# Altium PCB HDMI_to_RGB.PcbDoc (continued)
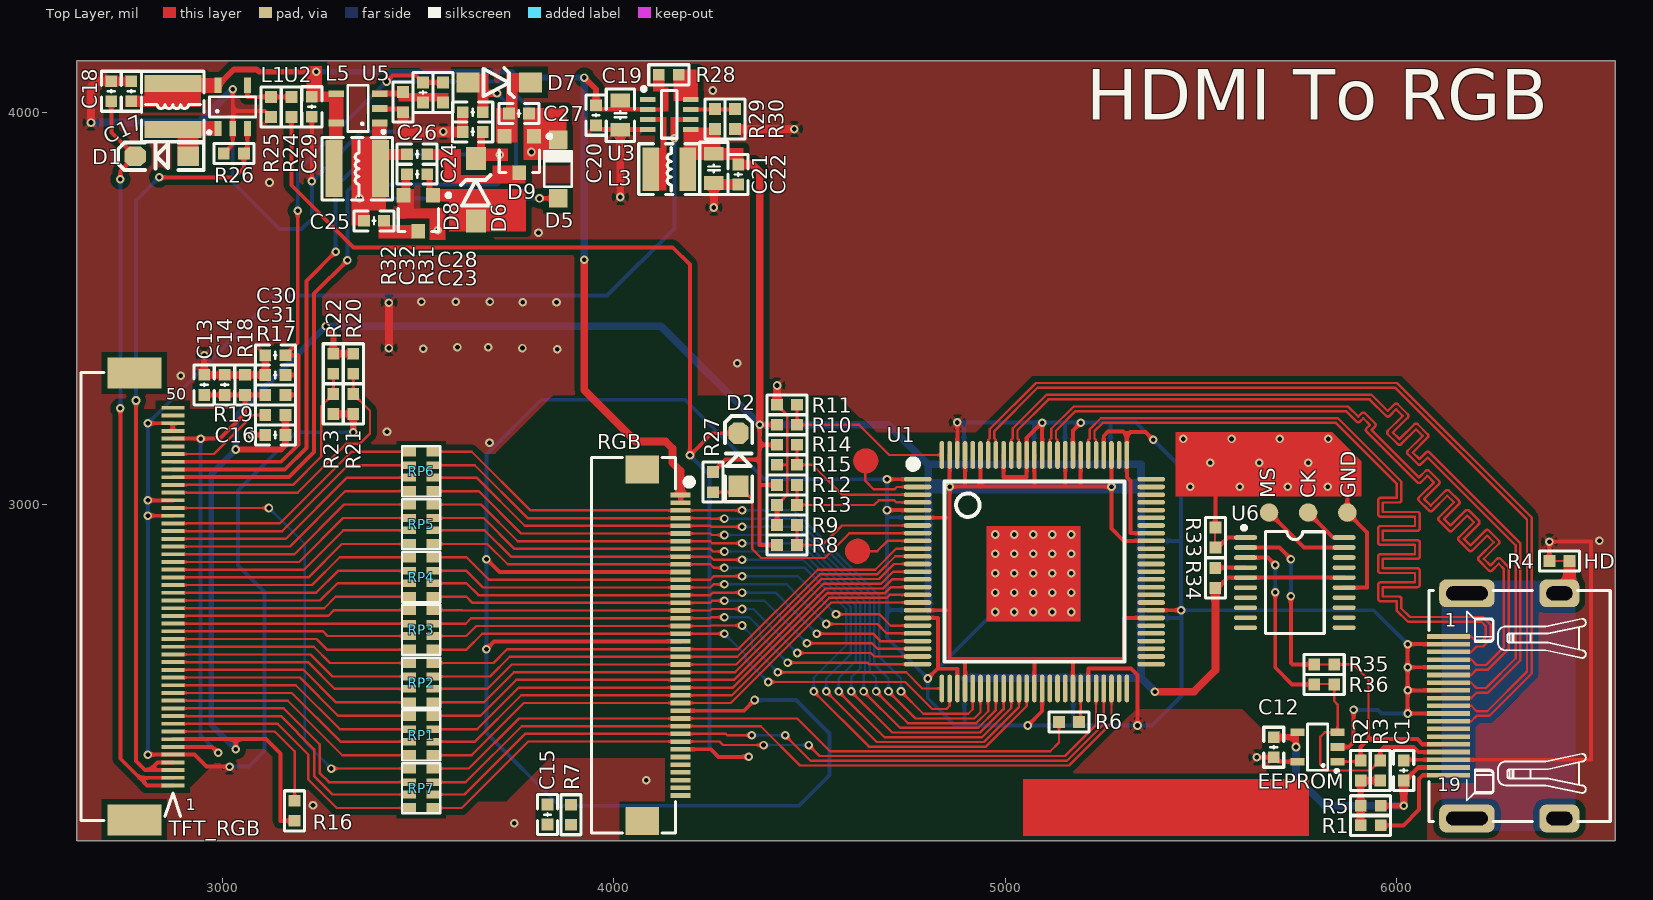
[diagram p0: Top Layer view]
## Nets (pads, with @x,y where several pads share a name; then routed paths per layer and width w, separated by ;. In a path a pad name is that pad's centre, name@x,y a point inside that pad or via, vN(x,y) a via of type N, cw(c..) or ccw(c..) an arc to the next point about the centre after c; other vN are vias at no path point) (continued)
  Top Layer w6: U1.80 5232.24,3164.47 5228.39,3168.31 5228.39,3187 5249.39,3208 5845,3208 6000,3053 6000,3016.51 5958.96,3016.51 ccw(c5958.96,3010.51) 5952.96,3010.51 5952.96,2974.51 ccw(c5958.96,2974.51) 5958.96,2968.51 6047.04,2968.51 6047.04,2944.51 5958.96,2944.51 ccw(c5958.96,2938.51) 5952.96,2938.51 5952.96,2902.51 ccw(c5958.96,2902.51) 5958.96,2896.51 6047.04,2896.51 6047.04,2872.51 5958.96,2872.51 ccw(c5958.96,2866.51) 5952.96,2866.51 5952.96,2830.51 ccw(c5958.96,2830.51) 5958.96,2824.51 6047.04,2824.51 6047.04,2800.51 5958.96,2800.51 ccw(c5958.96,2794.51) 5952.96,2794.51 5952.96,2758.51 ccw(c5958.96,2758.51) 5958.96,2752.51 6000,2752.51 6000,2729.03 6029.03,2700 6216,2700 6228,2688 6228,2660.77 6216,2648.77 6204.13,2648.77 6190.45,2662.45 HD.1
DDC_SCL: EEPROM.1 HD.15 R2.2 R35.2 | length 588.2
  Top Layer w6: R35.2 5889,2591 5928,2552 5928,2400 ; EEPROM.1 5905.01,2342.6 R2.2
  Top Layer w10: R2.2 5908,2380 5928,2400 6053,2400 6066.14,2386.86 HD.15
DDC_SDA: EEPROM.3 HD.16 R3.2 R36.2 | length 623.6
  Top Layer w6: R36.2 5840.59,2497.41 5849.18,2488.82 EEPROM.3 5816.4,2417.4 5805,2406 5805,2336 5821,2320 5932.42,2320 R3.2
  Top Layer w10: R3.2 5958,2370 5968,2380 6043,2380 6055.82,2367.18 HD.16
DE: RGB.33 RP7.1 U1.46 | length 1904
  Top Layer w6: RP7.1 3612.21,2224.21 3781.94,2393.94 RGB.33 4270.06,2393.94 4279,2385 v1(4383,2385) ; v1(4498,2385) 4526,2357 5153,2357 5232.24,2436.24 U1.46
  Bottom Layer w6: v1(4383,2385) v1(4498,2385)
GND: C1.2 C2.1 C3.1 C4.1 C5.1 C6.1 C7.1 C8.1 C9.1 C10.1 C11.1 C12.1 C13.2 C14.2 C16.1 C17.1 C18.1 C19.1 C20.1 C21.1 C22.1 C23.2 C24.2 C28.1 C29.1 C30.1 C31.2 D8.2 EEPROM.2 EEPROM.5 GND.1 HD.2 HD.5 HD.8 HD.11 HD.17 R4.1 R9.2 R11.2 R13.2 R15.2 R18.2 R21.2 R23.2 R25.2 R26.2 R30.2 R32.1 R33.2 RGB.11 RGB.20 RGB.29 TFT_RGB.5 TFT_RGB.36 TFT_RGB.38 TFT_RGB.47 TFT_RGB.48 U1.1 U1.5 U1.19 U1.28 U1.39 U1.45 U1.58 U1.68 U1.76 U1.79 U1.83 U1.87 U1.89 U1.92 U1.98 U2.2 U3.4 U3.6 U5.2 U6.15 | length 20876.3
  Top Layer w6: R13.2 4443,3023.99 4443,3101 ; R15.2 4442.8,3100.8 4443,3101 ; R11.2 4443,3228.42 4443,3101
  Top Layer w10: v1(2810.39,2360.61) TFT_RGB.5 2929.39,2360.61 2960,2330 v1(3019,2330) ; v1(2810.39,2970.85) TFT_RGB.36 ; v1(2810.39,3010.22) TFT_RGB.38 ; v1(2810.46,3207.07) TFT_RGB.48 TFT_RGB.47 ; R26.2 3027,3918.59 U2.2 3027,4005 ; v1(3027,4060) 3027,4005 ; v1(3076,3177) C16.1 ; R25.2 3109.41,4005 3027,4005 ; v1(3229,3825) C29.1 ; v1(3675,2630) 3694.84,2649.84 RGB.20 ; v1(3675,2860) 3707.99,2827.01 RGB.11 ; RGB.29 4332.68,2472.68 v1(4360,2500) ; R9.2 R13.2 ; v1(4698.28,2985.28) U1.5 ; v1(4698.28,3064.02) U1.1 ; U1.19 4828,2709.69 4828,2580 ; v1(4802.37,2555) 4827.37,2580 4828,2580 ; U1.28 4877.91,2580 4828,2580 ; U1.98 v1(4877.91,3209.09) ; U1.92 4996.02,3070 5055.07,3070 U1.89 5055.07,3169.19 v1(5094.44,3208.56) U1.87 ; v1(5058,2435) 5094.44,2471.44 U1.39 ; U1.83 5173.18,3188.74 v1(5193,3208.56) ; U1.45 5212.55,2581 5321,2581 5338,2564 v1(5338,2435) ; U1.79 5251.92,3174.92 5263,3186 5301,3186 5310.98,3176.02 ; U1.58 v1(5449.37,2729.37) ; U1.68 5320,2926.22 5320,3060 5310.98,3069.02 U1.76 5310.98,3176.02 ; v1(5378,3165) 5358,3185 5319.95,3185 5310.98,3176.02 ; R33.2 5537,3045 5575,3083 5843,3083 5874,3052 GND.1 5924.8,2928.2 5924.8,2787.2 U6.15 ; v1(5642.82,2353.82) C12.1 5697.22,2342.6 EEPROM.5 ; EEPROM.2 5877,2380 5890,2393 v1(5890,2475) ; C1.2 6019.91,2347.49 HD.17 6496.51,2347.49 6496.51,2904.51 6390,2904.51 v2(6390.2,2904.3) R4.1 ; HD.11 v1(6028,2465.6) v1(6028,2524.66) ; HD.8 v1(6028,2524.66) ; HD.5 v1(6028,2583.71) ; HD.2 v1(6028,2642.77) v1(6028,2583.71) ; v1(6028,2524.66) v1(6028,2583.71)
  Top Layer w12: U3.6@4196.8,3983 U3.6
  Top Layer w15: v1(2954,3381) C13.2 C14.2 R18.2 3110.02,3330.59 C31.2 C30.1 ; R23.2 R21.2 v1(3335,3184)
  Top Layer w20: v1(2665,3975) 2665,4066 2679.59,4080.59 C18.1 C17.1 ; v1(3426,3399) v2(3426,3515) ; v1(4017,3785) C19.1 ; v1(4256,3758) C21.1 ; R30.2 v1(4461.41,3958.41) ; R11.2 v1(4417.41,3303.41)
  Bottom Layer w10: v1(2810.39,2360.61) v1(2810.39,2970.85) v1(2810.39,3010.22) 2810.39,3207 v1(2810.46,3207.07) 3136.39,3533 3983,3533 4155,3705 v2(4155,3935) ; v1@2814.54,2969 v1@2816.39,2970.85 ; v1(3019,2330) 3068,2330 3108,2370 3108,2776 3040,2844 3040,3035 3189,3184 v1(3335,3184) ; v1(3027,4060) 3027,3823 3147,3703 3203,3703 3229,3729 v1(3229,3825) 3356,3952 v2(3565,3952) ; v1(4360,2500) 4466,2500 4551,2415 4551,2308 4473,2230 3861,2230 3675,2416 v1(3675,2630) v1(3675,2860) 3675,3127 3815,3267 4182,3267 4384.98,3064.02 v1(4698.28,3064.02) v1(4698.28,2985.28) 4698.28,2968 ; C6.1 4698.28,2730 ; C7.1 4699.27,2967 4698.28,2968 ; v1(4877.91,3209.09) 4896,3209.09 ; C2.1 4895,3208.1 4896,3209.09 ; C10.1 4896,2436 4897,2435 ; v2@4976,2728.63 v1(4802.37,2555) ; C3.1 5074,3208.09 5073,3209.09 ; C4.1 5153,3207.56 5154,3208.56 ; C11.1 5174,2436 5173,2435 ; C5.1 5269,3207.56 5268,3208.56 ; C8.1 5448.68,2709.68 5450,2711 ; C9.1 5447.9,2906.53 5449.37,2908 ; v1(5890,2475) 5952,2475 5961.4,2465.6 v1(6028,2465.6) ; v1(6028,2642.77) 5941.4,2729.37 v1@5450,2729.37 ; 4698.28,2730 4698.28,2968 ; 4698.28,2730 4698.28,2659.09 v1(4802.37,2555) ; v1(4802.37,2555) 4802.37,2504.63 4872,2435 4897,2435 ; 4896,3209.09 5073,3209.09 ; 4897,2435 v1(5058,2435) 5173,2435 ; 5073,3209.09 5093.91,3209.09 v1(5094.44,3208.56) 5154,3208.56 ; 5154,3208.56 v1(5193,3208.56) 5268,3208.56 ; 5173,2435 v1(5338,2435) 5375,2435 5450,2510 5450,2711 ; 5268,3208.56 5334.44,3208.56 v1(5378,3165) 5449.37,3093.63 5449.37,2908 ; 5449.37,2908 v1(5449.37,2729.37) v1@5450,2729.37 ; 5450,2711 v1@5450,2729.37
  Bottom Layer w20: v1(2665,3975) 2942,3975 v1(3027,4060)
  other v2: 3746,2185 3232,2231 4083,2295 4975,2725 5023.5,2725 5072,2725 5120.5,2725 5169,2725 4975,2774.5 5023.5,2774.5 5072,2774.5 5120.5,2774.5 5169,2774.5 4975,2824 5023.5,2824 5072,2824 5120.5,2824 5169,2824 4975,2873.5 5023.5,2873.5 5072,2873.5 5120.5,2873.5 5169,2873.5 6518,2907 4975,2923 5023.5,2923 5072,2923 5120.5,2923 5169,2923 5473,3045 5599,3045 5722,3045 5824,3045 5524,3106 5649,3106 5774,3106 3683,3157 5455,3167 5578.33,3167 5701.67,3167 5825,3167 3421,3185 2894,3328 4316,3360 3856,3396 3514,3397 3767,3399 3601,3401 3680,3401 3768,3516 3854,3516 3509,3517 3597,3517 3684,3517 3808,3694 3551,3700 3121,3822 4253,4057
HDMI_5V: C1.1 C12.2 EEPROM.4 HD.18 R5.2 | length 730.6
  Top Layer w10: R5.2 R5.2@5959.18,2234.42 ; C1.1 C1.1@6018.59,2293.82
  Top Layer w12: EEPROM.4@5743,2413.58 EEPROM.4 ; R5.2 v2(6018,2230) ; C1.1@6022.41,2294.41 6055.81,2327.81 HD.18
  Top Layer w15: C12.2 5743,2405 ; v2(5743,2380) 5743,2405 ; EEPROM.4@5743,2413.58 5743,2405
  Top Layer w20: v2(6018,2230) C1.1
  Bottom Layer w20: v2(5743,2380) 5743,2303 5816,2230 v2(6018,2230)
HSYNC: RGB.31 RP7.5 U1.48 | length 1965.3
  Top Layer w6: RP7.5 3622.35,2290.35 3765.31,2433.31 RGB.31 4375.69,2433.31 4476,2333 5162.94,2333 5271.61,2441.67 U1.48
JTCK: CK.1 U6.20 | length 118.4
  Top Layer w10: CK.1 5837.84,2915.16 U6.20
JTMS: MS.1 U6.19 | length 229
  Top Layer w10: MS.1 5763.43,2889.57 U6.19
LCD_B0: RGB.21 RP2.7 U1.10 | length 1357.5
  Top Layer w6: RP2.7 3692.8,2594.8 3728.16,2630.16 RGB.21 4318.36,2630.16 4521.26,2833.06 4668.06,2833.06 4721.85,2886.85 U1.10
LCD_B1: RGB.22 RP2.5 U1.11 | length 1363.7
  Top Layer w6: RP2.5 3684.15,2560.15 3734.47,2610.47 RGB.22 4315.65,2610.47 4526.23,2821.06 4673.03,2821.06 4719.14,2867.17 U1.11
LCD_B2: RGB.23 RP2.3 U1.12 | length 1368.6
  Top Layer w6: RP2.3 3677.66,2528.66 3739.79,2590.79 RGB.23 4312.93,2590.79 4531.2,2809.06 4678,2809.06 4716.42,2847.48 U1.12
LCD_B3: RGB.24 RP2.1 U1.13 | length 1374.8
  Top Layer w6: RP2.1 3668.01,2494.01 3745.1,2571.1 RGB.24 4310.22,2571.1 4536.17,2797.06 4682.97,2797.06 4713.71,2827.8 U1.13
LCD_B4: RGB.25 RP1.7 U1.14 | length 1380.7
  Top Layer w6: RP1.7 3659.9,2459.9 3751.42,2551.42 RGB.25 4307.51,2551.42 4541.14,2785.06 4687.94,2785.06 4710.99,2808.11 U1.14
LCD_B5: RGB.26 RP1.5 U1.15 | length 1386.9
  Top Layer w6: RP1.5 3651.25,2425.25 3757.73,2531.73 RGB.26 4304.79,2531.73 4546.11,2773.06 4692.91,2773.06 4708.28,2788.43 U1.15
LCD_B6: RGB.27 RP1.3 U1.16 | length 1391.8
  Top Layer w6: RP1.3 3645.76,2393.76 3764.05,2512.05 RGB.27 4302.08,2512.05 4551.08,2761.06 4697.88,2761.06 4705.56,2768.74 U1.16
LCD_B7: RGB.28 RP1.1 U1.17 | length 1398
  Top Layer w6: RP1.1 3637.11,2359.11 3770.36,2492.36 RGB.28 4299.36,2492.36 4556.06,2749.06 U1.17
LCD_BL: D2.2 R24.2 RGB.34 | length 2969.8
  Top Layer w10: R24.2 3177,3815 3336,3656 4151,3656 4195,3612 v1(4195,3125) 4251.5,3181.5 D2.2 ; RGB.34 4248.75,2374.25 4268,2355 v1(4345,2355)
  Bottom Layer w10: v1(4195,3125) 4245,3075 4245,2378 4268,2355 v1(4345,2355)
LCD_G0: RGB.12 RP4.7 U1.20 | length 1316.4
  Top Layer w6: RP4.7 3624,2864.6 3681.27,2807.32 RGB.12 4247,2807.32 4256.19,2816.51 v1(4328,2816.51) ; v1(4568,2719) 4679,2719 4708,2690 U1.20
  Bottom Layer w6: v1(4328,2816.51) 4470.49,2816.51 v1(4568,2719)
LCD_G1: RGB.13 RP4.5 U1.21 | length 1309.2
  Top Layer w6: RP4.5 3624,2829.95 3666.31,2787.64 RGB.13 4247,2787.64 4254.87,2795.51 v1(4283,2795.51) ; v1(4543.24,2694.31) 4673.69,2694.31 4697.69,2670.32 U1.21
  Bottom Layer w6: v1(4283,2795.51) 4442.04,2795.51 v1(4543.24,2694.31)
LCD_G2: RGB.14 RP4.3 U1.22 | length 1303.2
  Top Layer w6: RP4.3 3624,2798.45 3654.5,2767.95 RGB.14 4247,2767.95 4253.56,2774.51 v1(4328,2774.51) ; v1(4518.49,2669.61) 4662.39,2669.61 4681.37,2650.63 U1.22
  Bottom Layer w6: v1(4328,2774.51) 4413.59,2774.51 v1(4518.49,2669.61)
LCD_G3: RGB.15 RP4.1 U1.23 | length 1295.9
  Top Layer w6: RP4.1 3624,2763.81 3639.54,2748.27 RGB.15 4247,2748.27 4252.25,2753.52 v1(4283,2753.52) ; v1(4493.73,2644.92) 4660.08,2644.92 4674.06,2630.94 U1.23
  Bottom Layer w6: v1(4283,2753.52) 4385.14,2753.52 v1(4493.73,2644.92)
LCD_G4: RGB.16 RP3.7 U1.24 | length 1288.8
  Top Layer w6: RP3.7 3613.3,2729.7 3614.42,2728.58 RGB.16 4247,2728.58 4250.94,2732.52 v1(4328,2732.52) ; v1(4468.98,2620.22) 4656.78,2620.22 4665.74,2611.26 U1.24
  Bottom Layer w6: v1(4328,2732.52) 4356.69,2732.52 v1(4468.98,2620.22)
LCD_G5: RGB.17 RP3.5 U1.25 | length 1303.7
  Top Layer w6: RP3.5 3622.05,2695.05 3635.9,2708.9 RGB.17 4171.62,2709.21 4247,2709.21 4249.31,2711.52 v1(4283,2711.52) ; v1(4444.23,2595.53) 4648.47,2595.53 4652.43,2591.57 U1.25
  Bottom Layer w6: v1(4283,2711.52) 4346.48,2711.52 4374,2684 4374,2665.76 v1(4444.23,2595.53)
LCD_G6: RGB.18 RP3.3 U1.26 | length 1392.9
  Top Layer w6: RP3.3 3623.55,2663.55 3649.21,2689.21 RGB.18 4247,2689.21 4248.31,2690.52 v1(4328,2690.52) ; v1(4419.47,2570.84) 4747.16,2570.84 4788.45,2529.55 U1.26
  Bottom Layer w6: v1(4328,2690.52) 4353,2665.52 4353,2637.31 v1(4419.47,2570.84)
LCD_G7: RGB.19 RP3.1 U1.27 | length 1469.4
  Top Layer w6: RP3.1 3624,2628.91 3664.62,2669.53 RGB.19 v1(4283,2669.53) ; v1(4394.72,2546.14) 4744.86,2546.14 4814,2477 4850,2477 4858.22,2485.22 U1.27
  Bottom Layer w6: v1(4283,2669.53) 4337,2615.53 4337,2603.86 v1(4394.72,2546.14)
LCD_LR: R20.2 R21.1 TFT_RGB.39 | length 736.5
  Top Layer w6: TFT_RGB.39 3192.91,3029.91 3318,3155 3352,3155 3377.67,3180.67 3377.67,3238.92 R21.1 R20.2
LCD_R0: RGB.3 RP6.7 U1.30 | length 1823.1
  Top Layer w6: RP6.7 3637.61,3134.39 3787.51,2984.49 RGB.3 4247,2984.49 v1(4328,2984.49) ; v1(4734,2522) 4791,2465 4906,2465 4917.28,2476.28 U1.30
  Bottom Layer w6: v1(4328,2984.49) 4460.31,2984.49 4678,2766.79 4678,2611 4734,2555 v1(4734,2522)
LCD_R1: RGB.4 RP6.5 U1.31 | length 1851.5
  Top Layer w6: RP6.5 3645.25,3099.75 3780.2,2964.8 RGB.4 4247,2964.8 4248.31,2963.49 v1(4283,2963.49) ; v1(4702.14,2522) 4771.14,2453 4921.18,2453 4936.96,2468.78 U1.31
  Bottom Layer w6: v1(4283,2963.49) 4464.33,2963.49 4666,2761.82 4666,2591 4702.14,2554.86 v1(4702.14,2522)
LCD_R2: RGB.5 RP6.3 U1.32 | length 1875.2
  Top Layer w6: RP6.3 3649.75,3068.25 3772.88,2945.12 RGB.5 4247,2945.12 4249.63,2942.49 v1(4328,2942.49) ; v1(4670.29,2522) 4751.29,2441 4926.15,2441 4956.65,2471.5 U1.32
  Bottom Layer w6: v1(4328,2942.49) 4468.36,2942.49 4654,2756.85 4654,2573 4670.29,2556.71 v1(4670.29,2522)
LCD_R3: RGB.6 RP6.1 U1.33 | length 1900.5
  Top Layer w6: RP6.1 3655.39,3033.61 3763.57,2925.43 RGB.6 4247,2925.43 4250.94,2921.5 v1(4283,2921.5) ; v1(4638.43,2522) 4731.43,2429 4931.12,2429 4976.33,2474.21 U1.33
  Bottom Layer w6: v1(4283,2921.5) 4472.39,2921.5 4642,2751.88 4642,2567.03 4638.43,2563.46 v1(4638.43,2522)
LCD_R4: RGB.7 RP5.7 U1.34 | length 1939.6
  Top Layer w6: RP5.7 3661.51,2999.49 3755.25,2905.75 RGB.7 4247,2905.75 4252.25,2900.5 v1(4328,2900.5) ; v1(4606.57,2522) 4711.57,2417 4936.09,2417 4996.02,2476.93 U1.34
  Bottom Layer w6: v1(4328,2900.5) 4476.41,2900.5 4630,2746.91 4630,2581 4606.57,2557.57 v1(4606.57,2522)
LCD_R5: RGB.8 RP5.5 U1.35 | length 1978.5
  Top Layer w6: RP5.5 3668.15,2964.85 3746.94,2886.06 RGB.8 4247,2886.06 4253.56,2879.5 v1(4283,2879.5) ; v1(4574.71,2522) 4691.71,2405 4941.06,2405 5015.7,2479.64 U1.35
  Bottom Layer w6: v1(4283,2879.5) 4480.44,2879.5 4618,2741.94 4618,2599 4574.71,2555.71 v1(4574.71,2522)
LCD_R6: RGB.9 RP5.3 U1.36 | length 2018.6
  Top Layer w6: RP5.3 3670.65,2933.35 3737.62,2866.38 RGB.9 4247,2866.38 4254.87,2858.5 v1(4328,2858.5) ; v1(4542.86,2522) 4671.86,2393 4946.03,2393 5035.39,2482.36 U1.36
  Bottom Layer w6: v1(4328,2858.5) 4484.47,2858.5 4606,2736.97 4606,2618 4542.86,2554.86 v1(4542.86,2522)
LCD_R7: RGB.10 RP5.1 U1.37 | length 2057.5
  Top Layer w6: RP5.1 3677.29,2898.71 3729.31,2846.69 RGB.10 4247,2846.69 4256.19,2837.51 v1(4283,2837.51) ; v1(4511,2522) 4652,2381 4951,2381 5055.07,2485.07 U1.37
  Bottom Layer w6: v1(4283,2837.51) 4488.49,2837.51 4594,2732 4594,2640 4511,2557 v1(4511,2522)
LCD_UD: R22.2 R23.1 TFT_RGB.40 | length 633.2
  Top Layer w6: TFT_RGB.40 3180.59,3049.59 3253,3122 3253,3250.6 R23.1 R22.2
NetC13_1: C13.1 C14.1 R17.1 R18.1 TFT_RGB.6 TFT_RGB.46 | length 1359
  Top Layer w10: TFT_RGB.6 2974.7,2380.3 v1(2990,2365) ; TFT_RGB.46 v1(2945,3167.7) 2994.7,3167.7 3058.67,3231.67 R18.1 ; C13.1 C14.1 R18.1 ; R17.1 R18.1
  Bottom Layer w10: v1(2945,3167.7) 2945,2410 v1(2990,2365)
NetC24_1: C24.1 D6.1 D8.1
NetC25_1: C25.1 D8.3
NetC25_2: C25.2 C26.1 D5.1 L5.1 U5.1 | length 507.3
  Top Layer w10: v1(3810.74,3781.26) D5.1
  Bottom Layer w10: v1(3350.74,3781.26) v1(3810.74,3781.26)
NetC26_2: C26.2 D9.3
NetC27_2: C27.2 D7.2 D9.2
NetC32_2: C32.2 R31.2 R32.2 U5.3
NetD1_1: D1.1 L1.2 U2.1
NetHD_19: HD.19 R1.2 | length 272
  Top Layer w10: R1.2 6017,2180 6057,2220 6057,2298 6067.12,2308.12 HD.19
NetHD_G1: HD.G1 HD.G2 HD.G3 HD.G4 R4.2 | length 93.1
  Top Layer w30: HD.G3 6441.39,2798.09 R4.2
NetL3_2: L3.2 U3.3
NetR1_1: R1.1 R2.1 R3.1 R5.1 | length 164.4
  Top Layer w15: R1.1 R5.1 R2.1 R3.1
NetR6_1: R6.1 U1.44 | length 87.3
  Top Layer w6: R6.1 5192.87,2448.28 U1.44
NetR16_2: R16.2 TFT_RGB.8 | length 458.4
  Top Layer w6: TFT_RGB.8 3134.33,2419.67 3185,2369 R16.2
NetR19_1: R19.1 TFT_RGB.44 | length 277.7
  Top Layer w6: TFT_RGB.44 2979.33,3128.33 3079,3228 R19.1
NetR24_1: R24.1 R25.1 U2.4 | length 142.1
  Top Layer w10: U2.4 3064.4,4040.59 R25.1 R24.1
NetR28_1: R28.1 U3.8
NetR29_2: R29.2 R30.1 U3.7
NetRP1_2: RP1.2 TFT_RGB.12 | length 660.7
  Top Layer w6: TFT_RGB.12 3167.59,2498.41 3306.89,2359.11 RP1.2
NetRP1_4: RP1.4 TFT_RGB.13 | length 654.5
  Top Layer w6: TFT_RGB.13 3177.91,2518.09 3302.24,2393.76 RP1.4
NetRP1_6: RP1.6 TFT_RGB.14 | length 649.6
  Top Layer w6: TFT_RGB.14 3188.22,2537.78 3300.75,2425.25 RP1.6
NetRP1_8: RP1.8 TFT_RGB.15 | length 643.4
  Top Layer w6: TFT_RGB.15 3198.54,2557.46 3296.1,2459.9 RP1.8
NetRP2_2: RP2.2 TFT_RGB.16 | length 637.4
  Top Layer w6: TFT_RGB.16 3207.85,2577.15 3290.99,2494.01 RP2.2
NetRP2_4: RP2.4 TFT_RGB.17 | length 631.2
  Top Layer w6: TFT_RGB.17 3219.17,2596.83 3287.34,2528.66 RP2.4
NetRP2_6: RP2.6 TFT_RGB.18 | length 626.4
  Top Layer w6: TFT_RGB.18 3225.48,2616.52 3281.85,2560.15 RP2.6
NetRP2_8: RP2.8 TFT_RGB.19 | length 620.2
  Top Layer w6: TFT_RGB.19 3233.8,2636.2 3275.2,2594.8 RP2.8
NetRP3_2: RP3.2 TFT_RGB.20 | length 614.2
  Top Layer w6: TFT_RGB.20 3241.11,2655.89 3268.09,2628.91 RP3.2
NetRP3_4: RP3.4 TFT_RGB.21 | length 608
  Top Layer w6: TFT_RGB.21 3257.43,2675.57 3269.45,2663.55 RP3.4
NetRP3_6: RP3.6 TFT_RGB.22 | length 603.1
  Top Layer w6: TFT_RGB.22 3282.79,2695.26 3283,2695.05 RP3.6
NetRP3_8: RP3.8 TFT_RGB.23 | length 609.1
  Top Layer w6: TFT_RGB.23 3271,2714.95 3285.75,2729.7 RP3.8
NetRP4_2: RP4.2 TFT_RGB.24 | length 615.1
  Top Layer w6: TFT_RGB.24 3260.63,2734.63 3289.81,2763.81 RP4.2
NetRP4_4: RP4.4 TFT_RGB.25 | length 621.3
  Top Layer w6: TFT_RGB.25 3250.32,2754.32 3294.45,2798.45 RP4.4
NetRP4_6: RP4.6 TFT_RGB.26 | length 626.2
  Top Layer w6: TFT_RGB.26 3240,2774 3295.95,2829.95 RP4.6
NetRP4_8: RP4.8 TFT_RGB.27 | length 632.4
  Top Layer w6: TFT_RGB.27 3229.68,2793.68 3300.6,2864.6 RP4.8
NetRP5_2: RP5.2 TFT_RGB.28 | length 638.4
  Top Layer w6: TFT_RGB.28 3220.37,2813.37 3305.71,2898.71 RP5.2
NetRP5_4: RP5.4 TFT_RGB.29 | length 644.6
  Top Layer w6: TFT_RGB.29 3209.05,2833.05 3309.35,2933.35 RP5.4
NetRP5_6: RP5.6 TFT_RGB.30 | length 649.4
  Top Layer w6: TFT_RGB.30 3196.74,2852.74 3308.85,2964.85 RP5.6
NetRP5_8: RP5.8 TFT_RGB.31 | length 655.6
  Top Layer w6: TFT_RGB.31 3184.43,2872.43 3311.49,2999.49 RP5.8
NetRP6_2: RP6.2 TFT_RGB.32 | length 661.6
  Top Layer w6: TFT_RGB.32 3173.11,2892.11 3314.61,3033.61 RP6.2
NetRP6_4: RP6.4 TFT_RGB.33 | length 667.8
  Top Layer w6: TFT_RGB.33 3162.8,2911.8 3319.25,3068.25 RP6.4
NetRP6_6: RP6.6 TFT_RGB.34 | length 672.7
  Top Layer w6: TFT_RGB.34 3153.48,2931.48 3321.75,3099.75 RP6.6
NetRP6_8: RP6.8 TFT_RGB.35 | length 678.9
  Top Layer w6: TFT_RGB.35 3147.16,2951.16 3330.39,3134.39 RP6.8
NetRP7_2: RP7.2 TFT_RGB.9 | length 729.6
  Top Layer w6: TFT_RGB.9 3141.65,2439.35 3220,2361 3220,2297 3292.79,2224.21 RP7.2
NetRP7_4: RP7.4 TFT_RGB.10 | length 725.8
  Top Layer w6: TFT_RGB.10 3149.96,2459.04 3235,2374 3235,2306 3282.14,2258.86 RP7.4
NetRP7_6: RP7.6 TFT_RGB.11 | length 723.8
  Top Layer w6: TFT_RGB.11 3157.28,2478.72 3249,2387 3249,2313.94 3272.59,2290.35 RP7.6
NetRP7_8: RP7.8 TFT_RGB.37 | length 1175.1
  Top Layer w6: TFT_RGB.37 v1(3119.47,2990.53) ; v1(3279,2325) RP7.8
  Bottom Layer w6: v1(3119.47,2990.53) 3211,2899 3211,2393 v1(3279,2325)
OCK_INV: R10.2 R11.1 U1.100 | length 452.8
  Top Layer w6: R11.1 R10.2 4627,3203 4703.96,3126.04 U1.100
PA0: U6.6
PA1: U6.7
PA2: U6.8
PA3: U6.9
PA4: U6.10
PA5: U6.11
PA6: U6.12
PA7: U6.13
PA9: U6.17
PA10: U6.18
PB1: U6.14
PD: U1.2 | length 281.4
  Top Layer w6: 4643,3095 4643,3059.33 4664.33,3038 4717,3038 4723.33,3044.33 U1.2
  Top Layer w32: 4643,3095 cw(c4644,3111) 4643,3127 cw(c4644,3111) 4660.03,3111 cw(c4644,3111) 4643,3095
PDO: U1.9 | length 249.2
  Top Layer w6: 4639.03,2880 4673,2880 4699.54,2906.54 U1.9
  Top Layer w32: 4639.03,2880 ccw(c4623,2880) 4639.03,2880
PF0: R35.1 U6.2 | length 454.3
  Top Layer w10: U6.2 5700.43,2889.57 v1(5730,2860) ; v1(5730,2765) 5730,2595 5734,2591 R35.1
  Bottom Layer w10: v1(5730,2765) v1(5730,2860)
PF1: R36.1 U6.3 | length 463.1
  Top Layer w10: U6.3 5671.02,2863.98 v1(5690,2845) ; v1(5690,2775) 5690,2583 5733,2540 R36.1
  Bottom Layer w10: v1(5690,2775) v1(5690,2845)
PIXS: R12.2 R13.1 U1.4 | length 366
  Top Layer w6: R12.2 R13.1 4665.4,2998.4 4677,3010 4717,3010 4722.04,3004.96 U1.4
RESET: R34.1 U6.4 | length 77.3
  Top Layer w10: R34.1 5537.79,2838.39 U6.4
SCDT: D2.1 R27.1 U1.8 | length 704.6
  Top Layer w6: R27.1 4303.59,3031.09 D2.1 4354,3011.5 4354,2886 4377,2863 4539,2863 4602.22,2926.22 U1.8
ST: R14.2 R15.1 U1.3 | length 390.7
  Top Layer w6: R14.2 R15.1 4507.2,3100.8 4583.35,3024.65 U1.3
STAG: R8.2 R9.1 U1.7 | length 379.8
  Top Layer w6: R9.1 R8.2 4533,2896 4582.91,2945.91 U1.7
VCC3.3: C2.2 C3.2 C4.2 C5.2 C6.2 C7.2 C8.2 C9.2 C10.2 C11.2 C16.2 C21.2 C22.2 L3.1 R8.1 R10.1 R12.1 R14.1 R16.1 R19.2 R20.1 R22.1 R27.2 R29.1 R34.2 TFT_RGB.7 U1.6 U1.18 U1.29 U1.38 U1.43 U1.57 U1.67 U1.78 U1.82 U1.84 U1.88 U1.95 U1.97 U1.99 U3.5 U6.5 U6.16 | length 10444.7
  Top Layer w10: TFT_RGB.7 3035,2399.98 ; v1(3035,2374) 3035,2399.98 ; R16.1 3149.41,2191.41 3149,2191.81 3149,2363 3112.02,2399.98 3035,2399.98 ; R27.2 4285.73,3114 4373,3114 ; R8.1 4373,2896 4373,3050 ; R12.1 4373.41,3049.6 4373,3050 ; R14.1 4373.01,3152 ; R10.1 v1(4373,3203) 4373,3152 ; U1.18 4857.59,2729.37 4858.22,2730 ; U1.6 4857.63,2965.59 4858.22,2965 ; U1.99 v2(4858.22,3045) ; U1.29 4897.59,2604.81 4898,2605.22 ; U1.97 4897.59,3045.41 4898,3045 ; U1.95 4936.96,3045 ; U1.38 5074.76,2603.46 5073,2605.22 ; U1.88 5074.76,3046.76 5073,3045 ; U1.84 5153.5,3045.5 5153,3045 ; U1.43 5173.18,2605.04 5173,2605.22 ; U1.82 5192.87,3045.13 5193,3045 ; U1.78 v2(5271.61,3045) ; U1.57 5303.31,2709.69 5303,2710 5303,2605.44 5302.78,2605.22 5173,2605.22 ; U1.67 5303,2906.54 5271.61,2937.93 v2(5271.61,3045) ; R34.2 5543.41,2786.41 5569.8,2812.8 U6.5 U6.16 ; 4373,3050 4373,3114 ; 4373,3114 4373,3152 ; 4858.22,2730 4858.22,2965 ; 4858.22,2730 4858.22,2605.22 4898,2605.22 ; 4858.22,2965 v2(4858.22,3045) ; v2(4858.22,3045) 4898,3045 ; 4898,2605.22 5073,2605.22 ; 4898,3045 4936.96,3045 ; 4936.96,3045 5073,3045 ; 5073,2605.22 5173,2605.22 ; 5073,3045 5153,3045 ; 5153,3045 5193,3045 ; 5193,3045 v2(5271.61,3045)
  Top Layer w15: v1(3035,3140) 3150,3140 3161.59,3151.59 C16.2 R19.2 ; v1(3265,3455) 3284,3436 R22.1 R20.1
  Top Layer w20: C22.2 4354.16,3867.84 4373,3849 v1(4373,3203) ; v1(5382.59,2521) 5482,2521 5537,2576 R34.2
  Bottom Layer w15: v1(3035,2374) 2972,2437 2972,3077 v1(3035,3140) 3035,3225 v1(3265,3455)
  Bottom Layer w20: v1(3265,3455) 4121,3455 v1(4373,3203) 4701.59,3203 4803.59,3101 ; C6.2 C7.2 4803.59,3101 ; C10.2 C11.2 5347,2556.59 ; v1(5382.59,2521) 5347,2556.59 ; 4803.59,3101 4805,3102.41 C2.2 C3.2 C4.2 C5.2 5347,3102.41 5347.41,3102 C9.2 C8.2 5347.41,2557 5347,2556.59
VCC5: C17.2 C19.2 C20.2 C29.2 L1.1 L5.2 R28.2 RGB.1 RGB.2 U2.5 U3.2 U5.4 U5.5 | length 2276.2
  Top Layer w10: RGB.2 RGB.1
  Top Layer w15: U2.5 3030.48,4111 3088,4111 3094,4105 v1(3240,4105) ; v1(3925,4090) 3955,4060 C20.2
  Top Layer w20: v1(3925,3625) 3925,3292 4057,3160 4133,3160 4150,3143 4150,3106 4171.31,3084.69 RGB.1
  Bottom Layer w15: v1(3240,4105) 3739,4105 3754,4090 v1(3925,4090)
  Bottom Layer w20: v1(3925,3625) v1(3925,4090)
VCC10.4: C27.1 C30.2 C31.1 C32.1 D5.2 D9.1 R17.2 R31.1 TFT_RGB.43 | length 2137.5
  Top Layer w10: TFT_RGB.43 3150.64,3108.64 3195,3153 3195,3279.41 ; R17.2 3195,3279.41 ; C31.1 3194.5,3330.2 3195,3330.7 ; v1(3193,3750) 3193,3412.41 C30.2 3194,3381 3195,3379.99 3195,3330.7 ; v1(3420,4080) 3435,4095 3495.26,4095 C32.1 R31.1 ; 3195,3279.41 3195,3330.7
  Bottom Layer w10: v1(3193,3750) 3193,3853 v1(3420,4080) 3716,4080 3790,4006 v1(3790,3900)
VCC16: C28.2 D7.1 TFT_RGB.41 | length 1788.4
  Top Layer w10: TFT_RGB.41 3170.53,3069.28 3235,3133.75 3235,3538 v1(3320,3623)
  Top Layer w20: 3666,4050 v1(3702,4050)
  Bottom Layer w10: v1(3320,3623) 3320,3800 3337,3817 3703,3817 3751,3865 3751,4001 v1(3702,4050)
VCC-7: C23.1 D6.2 TFT_RGB.42 | length 1514.2
  Top Layer w10: TFT_RGB.42 3159.96,3088.96 3215,3144 3215,3570 v1(3290,3645)
  Bottom Layer w10: v1(3290,3645) 3290,3810 3373,3893 v1(3709,3893)
VLED+: C18.2 D1.2 TFT_RGB.1 TFT_RGB.2 | length 1968.2
  Top Layer w10: C18.2 2717,3950 D1.2 2740,3851 v1(2740,3830) ; v1(2740,3245) 2740,2350 2788.44,2301.56 ; TFT_RGB.1 2808.13,2281.87 2788.44,2301.56 ; TFT_RGB.2 2788.44,2301.56
  Bottom Layer w10: v1(2740,3245) v1(2740,3830)
VLED-: R26.1 TFT_RGB.3 TFT_RGB.4 U2.3 | length 2016.7
  Top Layer w10: v1(2780,3265) 2780,2344 2802.76,2321.24 2815,2321.24 ; v1(2839,3835) 3031,3835 3055.59,3859.59 R26.1 3064.4,3904.81 U2.3 ; TFT_RGB.3 2815,2321.24 ; TFT_RGB.4 2834.68,2340.93 2815,2321.24
  Bottom Layer w10: v1(2780,3265) 2780,3776 v1(2839,3835)
VSYNC: RGB.32 RP7.3 U1.47 | length 1934
  Top Layer w6: RP7.3 3618.86,2258.86 3773.62,2413.62 RGB.32 4286.38,2413.62 4290,2410 v1(4353,2410) ; v1(4438,2410) 4503,2345 5157.97,2345 5251.92,2438.95 U1.47
  Bottom Layer w6: v1(4353,2410) v1(4438,2410)
pads on no net: C15.1 C15.2 HD.13 HD.14 R7.1 R7.2 RGB.0 RGB.35 RGB.36 RGB.37 RGB.38 RGB.39 RGB.40 TFT_RGB.45 TFT_RGB.49 TFT_RGB.50 TFT_RGB.A TFT_RGB.B U1.40 U1.41 U1.42 U1.49 U1.50 U1.51 U1.52 U1.53 U1.54 U1.55 U1.56 U1.59 U1.60 U1.61 U1.62 U1.63 U1.64 U1.65 U1.66 U1.69 U1.70 U1.71 U1.72 U1.73 U1.74 U1.75 U1.77 U1.96 U3.1

## Polygon pours and split planes (outlines as drawn)
GND on Bottom Layer "AutoNaming" (solid, remove dead copper, pour order 22): 2629,4133 2629,2140 6558,2140 6558,4133
GND on Top Layer "AutoNaming" (solid, remove dead copper, pour order 26): 2629,3244 2712.9,3244 2731.94,3244 2745.11,3230.83 2752,3223.94 2752,2991 2752,2338 2808.13,2281.87 2813,2277 2920,2277 2980,2337 3017,2374 3157,2374 3180,2374 3286,2268 3314,2240 3657,2240 3726,2240 3831,2345 3837,2351 4075,2351 5209,2351 5306,2448 5335,2477 5384,2477 5606,2477 5662,2421 5667,2416 5667,2318 5667,2314 5743,2238 5805,2176 6007,2176 6078,2176 6078,2140 2629,2140
GND on Top Layer "AutoNaming" (solid, remove dead copper, pour order 24): 6558,4133 6558,2140 6078,2140 6078,2543 6355,2820 6355,2838 6355,2985 6110,3230 6012,3328 5070,3328 5069,3328 4929,3188 4925,3184 4852,3184 4666,3184 4592,3258 4572,3278 4376,3278 3846,3278 3702,3134 3697,3129 3434,3129 3406,3129 3367,3168 3357,3178 3357,3281 3357,3303 3305,3355 3295,3365 3188,3365 3158,3365 3127,3334 3037,3244 2629,3244 2629,4133

## Other copper
Top Layer:
  rectangle net GND: 4277,3803 4305,3831
  rectangle net GND: 5435,3110 5835,3185
  region net GND: 5861,3061 5910,3110 5835,3185 5786,3136
  rectangle net GND: 5435,3020 5910,3110
  region net NetHD_G1: 6432,2853 6432,2858 6403,2858 6403,2853
  region net PF1: 5832,2538 5832,2543 5803,2543 5803,2538
  region net PF0: 5829,2588 5829,2593 5800,2593 5800,2588
  rectangle: 5534,2901 5539,2930
  rectangle net VCC5: 3216,4054 3255,4120
  rectangle net GND: 4145,3935 4165,3989
  rectangle net GND: 4148,3977 4180,3989
  rectangle net VCC3.3: 4178,3904 4273,3963
  rectangle net VCC3.3: 4169,3879 4332,3910
  rectangle net NetL3_2: 4106,3801 4120,3910
  rectangle net NetL3_2: 4120,3801 4135,3977
  rectangle net NetL3_2: 4100,3977 4135,3989
  rectangle net GND: 3940,3951 4068,3964
  rectangle net VCC5: 4101,4055 4130,4084
  rectangle net VCC5: 4120,4014 4140,4065
  rectangle net VCC5: 4100,4003 4140,4014
  rectangle net NetR28_1: 4153,4030 4215,4110
  rectangle net NetR29_2: 4214,4003 4298,4014
  rectangle net VCC5: 3941,4003 4070,4015
  rectangle: 5046,2153 5776,2298
  rectangle net VCC5: 2753,4015 2946,4044
  rectangle net VCC5: 2802,4044 2946,4058
  rectangle net VCC5: 2930,4051 2998,4089
  rectangle net NetD1_1: 2804,3941 2998,3979
  rectangle net NetD1_1: 2886,3865 2939,3950
  rectangle net GND: 4953,2701 5192,2944
  rectangle net VCC5: 3216,4027 3310,4054
  rectangle net VCC5: 3273,3968 3310,4027
  rectangle net VCC5: 3273,3895 3307,3968
  rectangle net NetC25_2: 3383,3921 3421,3981
  rectangle net NetC25_2: 3395,3880 3486,3908
  rectangle net NetC32_2: 3383,4041 3474,4057
  rectangle net NetC24_1: 3522,3802 3537,3832
  rectangle net VCC-7: 3651,3875 3672,3964
  rectangle net NetC24_1: 3580,3697 3776,3805
  rectangle net VCC10.4: 3770,3880 3879,4012
  rectangle net NetC27_2: 3700,3924 3755,4012
  rectangle net GND: 3394,4003 3475,4016
  rectangle net NetC25_2: 3330,3712 3376,3940
  rectangle net NetC25_2: 3376,3751 3418,3940
  rectangle net NetC26_2: 3510,3880 3610,3908
  rectangle net NetC26_2: 3565,3820 3610,3880
  rectangle net NetC26_2: 3610,3820 3775,3841
  rectangle net NetC26_2: 3690,3841 3775,3865
  rectangle net GND: 3458,3806 3480,3830
  rectangle net GND: 3448,3937 3476,3988
  rectangle net GND: 3476,3937 3601,3965
  rectangle net GND: 3600,3964 3628,3990
  rectangle net NetC32_2: 3450,4029 3578,4050
  rectangle net VCC-7: 3628,3877 3730,3909
  rectangle net NetC27_2: 3725,4012 3755,4102
  rectangle net NetC27_2: 3755,4053 3762,4102
  rectangle net VCC16: 3652,4014 3680,4100
  rectangle net NetC24_1: 3530,3773 3580,3805
  rectangle net GND: 3448,3730 3490,3806
  rectangle net GND: 3530,3675 3570,3755
  rectangle net GND: 3490,3730 3530,3755
  rectangle net NetC25_1: 3400,3679 3486,3714
Bottom Layer:
  rectangle net VCC3.3: 4803.59,3028 5347.41,3064
  rectangle net GND: 4953,2701 5192,2944
  rectangle net NetHD_G1: 6115,2165 6457,2805

## Silkscreen, mask and mechanical layers (free items; w line width, h text height)
Top Overlay:
  text "HDMI To RGB" at 5207,3940 h220
Top Solder:
  circle w32: c4623,2880 r16.03
  rectangle: 4953,2701 5192,2944
  lines w32: 4643,3095 ccw(c4644,3111) 4660.03,3111 ccw(c4644,3111) 4643,3127 ccw(c4644,3111) 4643,3095
  text "Lovelessing..." at 5056,2189 h120
Mechanical 1:
  lines w10: 2630,6074 6444,6074 ; 2629,2140 2629,4133 6558,4133 6558,2140 2629,2140

## Dimensions
2629,2140 to 2629,6074 on Top Overlay
2629,4133 to 6558,4133 on Top Overlay

## Text inside footprints (layer, text, board x,y; h text height)
HD: Top Overlay "1" at 6123.47,2676.23 h59.06; Top Overlay "19" at 6103.79,2255.96 h59.06
TFT_RGB: Top Overlay "1" at 2907,2219 h30; Top Overlay "50" at 2857,3267 h30